# Allegro board pc065b_toplevel_06a.brd (continued)
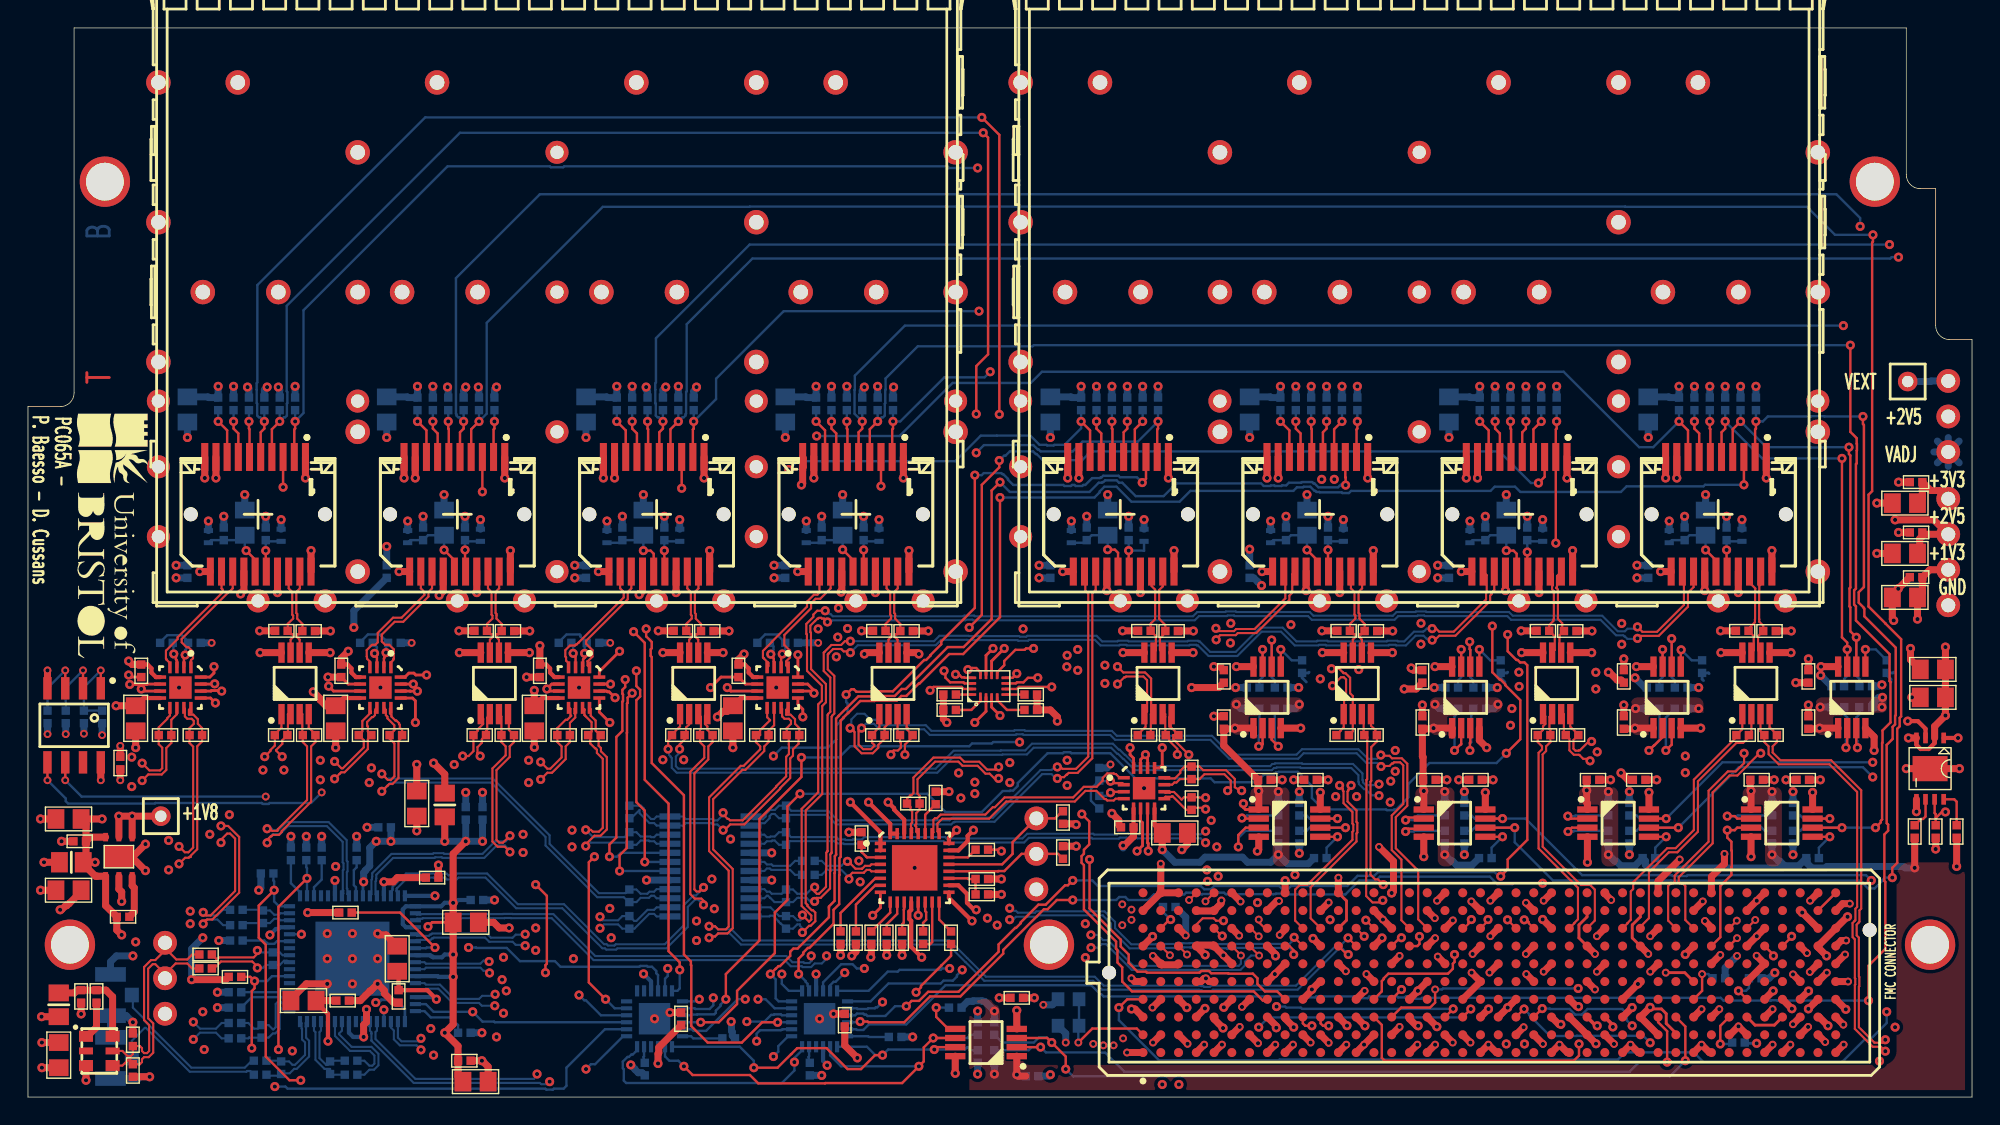
[diagram p0: board, top side]
## Routing (per net, layer and track width the routed paths; a pad name or vN(x,y) marks a point on that pad's centre or on a via; arc(x,y) is an arc through that point) (continued)
RD_MUX_P<6>: length 77.3
  TOP w0.15: J28.13 104.84,36.29 104.69,36.14 104.69,36.1 104.64,36.05 104.64,35.98 104.54,35.88 104.54,35.49 102.06,33.01 100.9,33.01 100.68,32.79 100.49,32.79 v1(100.4,32.7) ; v1(56.25,14) 56.25,14.1 56.4,14.25 56.68,14.25 57.35,14.92 57.35,16.15 57.37,16.18 57.37,17.37 57.46,17.46 57.46,17.51 57.46,27.21 57.49,27.24 57.49,27.28 57.66,27.44 57.66,30.14 57.19,30.6 57.19,31.68 57.24,31.73 57.24,31.73 57.57,32.06 58.14,32.06 58.15,32.05 58.16,32.05 58.32,31.89 58.71,31.89 v1(58.8,31.8)
  BOTTOM w0.15: v1(58.8,31.8) 59.33,32.33 64.9,32.33 65.29,32.72 67.15,32.72 67.17,32.7 70.75,32.7 70.8,32.65 71.5,32.65 71.57,32.72 76.28,32.72 76.68,32.31 78.02,32.31 78.06,32.36 78.53,32.36 78.57,32.31 83.03,32.31 83.07,32.36 83.54,32.36 83.58,32.31 83.65,32.31 84.41,31.56 86.47,31.56 88.21,33.3 89.59,33.3 90.57,32.31 92.27,32.31 92.31,32.36 92.78,32.36 92.82,32.31 97.28,32.31 97.32,32.36 97.79,32.36 97.83,32.31 98.53,32.31 99.22,33.01 99.79,33.01 100.01,32.79 100.31,32.79 v1(100.4,32.7) ; IC8.22 52.65,14.23 52.83,14.41 52.91,14.41 53.06,14.26 53.07,14.26 53.38,13.95 R80.1 54.7,13.95 55.01,14.26 55.1,14.25 55.67,14.25 55.98,13.94 56.19,13.94 v1(56.25,14)
RD_MUX_P<7>: length 96.4
  TOP w0.15: v1(57.16,34) 56.92,34.24 56.77,34.24 56.71,34.29 56.55,34.29 56.49,34.23 56.44,34.23 56.27,34.06 56.27,34.06 55.94,33.73 55.94,33.27 55.98,33.22 55.98,32.29 55.99,32.28 55.99,30.62 57.05,29.56 57.05,28.24 56.79,27.98 56.79,21.68 55.61,20.5 55.61,13.88 55.73,13.75 55.73,13.67 56.03,13.37 56.13,13.37 56.3,13.2 56.3,12.58 55.97,12.25 55.85,12.25 v1(55.37,11.78) ; J24.13 119.09,36.49 118.69,36.09 118.69,35.09 116.6,33 115.26,33 v1(115.08,32.82)
  BOTTOM w0.15: v1(55.37,11.78) 55.37,12.08 55.2,12.25 55.2,12.36 55.01,12.36 54.7,12.05 R81.1 53.84,12.42 53.8,12.42 53.66,12.55 53.66,12.59 53.27,12.98 53.06,12.98 53.01,12.93 IC8.24 ; v1(115.08,32.82) 115.04,32.78 114.36,32.78 114.18,32.96 114.15,32.96 114.07,33.04 113.55,33.04 112.44,34.15 106.04,34.15 105.78,34.41 99.88,34.41 99.83,34.46 99.37,34.46 99.32,34.41 97.97,34.41 97.71,34.15 91.79,34.15 91.53,34.41 86.28,34.41 86.23,34.46 85.77,34.46 85.72,34.41 83.72,34.41 83.42,34.12 67.58,34.12 67.53,34.16 67.07,34.16 67.02,34.12 57.52,34.12 57.41,34 v1(57.16,34)
REC_CLK_FPGA_N: length 19.1
  TOP w0.15: IC13.11 81.81,22.35 81.97,22.51 82.12,22.51 82.36,22.75 R97.1 83.76,22.75 84.11,23.1 85.54,23.1 86,22.64 86,22.15 v1(85.78,21.93) ; v1(85.39,11.52) 85.36,11.52 J3.H5
  L6_SIG w0.15: v1(85.39,11.52) 85.3,11.44 84.78,11.44 84.54,11.67 84.54,12.24 84.84,12.54 84.84,13.05 85.34,13.55 85.55,13.55 85.85,13.85 85.85,14.28 85.81,14.31 85.81,14.31 85.67,14.46 85.67,18.26 85.67,18.26 85.67,18.8 85.78,18.91 85.78,19.01 85.93,19.16 85.93,20.33 85.97,20.37 85.97,21.52 85.78,21.73 v1(85.78,21.93)
REC_CLK_FPGA_P: length 19.6
  TOP w0.15: v1(85.48,12.62) 84.95,12.62 84.78,12.79 83.99,12.79 83.53,12.34 J3.H4 ; IC13.12 81.3,22.8 82,22.8 82.39,23.19 82.39,23.34 82.7,23.65 R97.2 83.77,23.65 84.03,23.39 85.66,23.39 86.29,22.76 86.29,22.17 86.6,21.98 86.66,22 v1(86.78,21.93)
  L6_SIG w0.15: v1(86.78,21.93) 86.6,21.93 86.28,21.61 86.28,20.24 86.24,20.2 86.24,19.03 86.09,18.88 86.09,18.78 85.98,18.68 85.98,18.14 85.98,18.13 85.98,14.59 86.12,14.44 86.12,14.44 86.16,14.41 86.16,13.73 85.48,13.05 v1(85.48,12.62)
RST_I2C_B: length 54.6
  TOP w0.17: v1(67.2,30.59) 67.39,30.59 67.5,30.7 67.8,30.7 68.1,30.4 IC21.12
  L6_SIG w0.17: v1(54.8,2.5) 55.15,2.85 57.71,2.85 58.18,3.33 58.53,3.33 61.88,6.67 61.88,7.12 62.5,7.74 62.5,9 63.3,9.8 63.3,12.54 63.08,12.76 63.08,13.29 63.3,13.51 63.3,15.6 62.88,16.02 62.88,16.12 62.83,16.16 62.83,16.64 62.88,16.68 62.88,22.77 66.47,26.38 66.47,26.52 67.58,27.62 67.58,30.21 v1(67.2,30.59)
  BOTTOM w0.17: IC23.24 43.55,3.35 43.25,3.05 43.15,3.05 42.97,2.87 42.86,2.87 42.53,2.54 42.53,2.06 42.6,1.99 42.6,1.18 42.77,1.01 53.91,1.01 54.8,1.9 v1(54.8,2.5) 54.8,2.8 55.35,3.35 IC10.24
RST_I2C_B_CVCC: length 44.1
  TOP w0.17: IC21.9 69.3,30.4 69.8,30.9 69.8,31.2 70.6,32 71.26,32 71.36,32.1 v1(71.9,32.1) ; v1(75.9,17) 75.9,13.49 78.13,11.26 78.13,10.77 78.7,10.2 78.7,9.6 79.33,8.97 79.93,8.97 80,8.9 83.77,8.9 83.88,9.02 84.44,9.02 84.61,8.85 85.82,8.85 85.84,8.83 87.58,8.83 87.91,8.5 87.91,8.09 88.44,7.56 89.32,7.56 J3.D9
  L6_SIG w0.17: v1(75.9,17) 75.9,17.49 75.74,17.65 75.74,18.16 74.98,18.92 74.71,18.92 74.38,19.26 74.38,19.73 74.42,19.78 74.42,21.7 74.45,21.73 74.54,21.73 74.87,22.06 74.87,22.15 75.01,22.29 75.01,24.59 70.17,29.42 70.17,30.02 70.13,30.06 70.13,30.54 70.17,30.58 70.17,30.98 71.2,32 71.26,32 71.36,32.1 v1(71.9,32.1)
SFP_FAULT<0>: length 129.6
  TOP w0.17: v1(19.1,48.35) 19.1,47.83 19.04,47.77 J7.2
  L6_SIG w0.17: v1(59.8,9.2) 59.5,9.5 59.5,10.15 59.9,10.55 59.9,11 60,11.1 60,12.59 59.83,12.76 59.83,13.24 60,13.41 60,15.09 60.07,15.16 60.07,15.64 60,15.71 60,19.8 60.93,20.73 60.93,21.34 61.26,21.67 61.43,21.67 62.22,22.46 62.22,23.05 63.9,24.73 63.9,30 64.22,30.32 64.22,31.12 65.1,32 65.1,35 65.2,35.1 65.2,62.98 67.9,65.68 v1(67.9,66.48)
  BOTTOM w0.17: v1(59.8,9.2) 59.26,9.2 58.96,9.5 58.14,9.5 56.85,8.21 IC10.10 ; v1(67.9,66.48) 65.86,66.48 65.74,66.6 38.34,66.6 38.27,66.53 37.38,66.53 37.31,66.6 30,66.6 19.7,56.3 19.7,48.95 v1(19.1,48.35) R24.2
SFP_FAULT<1>: length 65.8
  TOP w0.17: J12.2 33.29,47.77 33.35,47.83 v1(33.35,48.35)
  L3_SIG w0.17: v1(58.4,8.9) 57.86,8.9 57.36,9.4 55.5,9.4 55,9.9 v1(39,9.9)
  L6_SIG w0.17: v1(39,9.9) 39,10.39 38.9,10.49 38.9,11.6 33.5,17 33.5,22.07 33.35,22.22 v1(33.35,48.35)
  BOTTOM w0.17: v1(58.4,8.9) 57.74,8.25 57.6,8.25 57.35,8 IC10.11 ; R36.2 v1(33.35,48.35)
SFP_FAULT<2>: length 86.7
  TOP w0.17: J16.2 47.54,47.77 47.6,47.83 v1(47.6,48.35)
  L6_SIG w0.17: v1(68,56.23) 68,55.74 68.1,55.64 68.1,50.5 68.4,50.2 68.4,49.14 68.42,49.12 68.42,48.68 68.4,48.66 68.4,32.77 68.1,32.47 68.1,31.73 68.4,31.43 68.4,26.26 67.17,25.03 66.86,25.03 64.99,23.16 64.99,22.27 64.96,22.23 64.96,21.49 65,21.45 65,18.64 66.64,16.99 66.64,13.02 66.6,12.97 66.6,12.23 66.64,12.18 66.64,9.94 v1(65.9,9.2)
  BOTTOM w0.17: v1(65.9,9.2) 65.36,9.2 65.26,9.1 62.32,9.1 62.19,8.97 61.48,8.97 60.1,7.6 IC10.12 ; R44.2 v1(47.6,48.35) 49.2,49.95 49.2,51.4 54.03,56.23 v1(68,56.23)
SFP_FAULT<3>: length 66.7
  TOP w0.17: v1(61.85,48.35) 61.85,47.83 61.79,47.77 J20.2
  L6_SIG w0.17: v1(66.8,9.1) 67.18,9.48 67.18,12.11 66.93,12.36 66.93,12.84 66.97,12.88 66.97,17.13 65.33,18.77 65.33,21.58 65.29,21.62 65.29,22.1 65.33,22.14 65.33,23.02 67,24.7 67.31,24.7 68.73,26.12 68.73,31.56 68.43,31.86 68.43,32.34 68.73,32.64 68.73,34.07 68.88,34.22 68.88,51.29 68.8,51.36 v1(68.8,51.9)
  BOTTOM w0.17: v1(68.8,51.9) 68.4,51.5 65.52,51.5 62.37,48.35 v1(61.85,48.35) R52.2 ; IC10.13 60.25,6.85 61.52,8.12 65.26,8.12 65.46,8.33 66.13,8.33 66.42,8.62 66.42,8.72 v1(66.8,9.1)
SFP_FAULT<4>: length 63.4
  TOP w0.17: v1(80.8,48.35) 80.8,47.83 80.74,47.77 J36.2
  L6_SIG w0.17: v1(67.8,46.1) 67.1,45.4 67.1,42.5 67.5,42.1 67.5,35.6 65.43,33.53 65.43,31.86 65.23,31.66 65.23,31.07 64.78,30.62 64.78,30.18 64.97,29.99 64.97,29.44 65.07,29.34 65.07,28.86 64.97,28.76 64.97,25.34 62.55,22.91 62.55,22.05 62.07,21.57 62.07,20.86 62.02,20.82 62.02,14.82 60.88,13.68 60.88,13.33 60.97,13.24 60.97,12.76 60.88,12.67 60.88,10.43 60.83,10.38 60.83,9.07 61,8.9 61,7.44 61.1,7.34 v1(61.1,6.8)
  BOTTOM w0.17: v1(67.8,46.1) 68.35,46.65 71.88,46.65 72.19,46.34 72.26,46.34 72.4,46.2 74.7,46.2 75.4,46.9 79.35,46.9 v1(80.8,48.35) R125.2 ; v1(61.1,6.8) 60.72,6.42 60.62,6.42 60.55,6.35 60.08,6.35 60.03,6.3 59.32,6.3 59.27,6.35 IC10.14
SFP_FAULT<5>: length 97.1
  TOP w0.17: v1(105.8,33.1) 105.8,31.9 106.42,31.27 106.51,31.27 106.69,31.1 107,31.1 107.2,30.9 107.2,18.4 105.8,17 105.8,16.3 v1(105.3,15.8) ; v1(95.05,48.35) 95.05,47.83 94.99,47.77 J32.2 ; v1(74.7,15.5) 74.35,15.15 74.15,15.15 72.76,13.77 72.25,13.77 70.98,12.5 70.98,12.44 70.65,12.1 70.58,12.1 69.4,10.92 69.4,10.4 66.53,7.53 64.36,7.53 63.71,6.88 63.18,6.88 v1(62.8,6.5)
  L6_SIG w0.17: v1(95.05,48.35) 96.15,48.35 98.7,45.8 98.7,38.34 98.41,38.04 98.41,37.16 99.03,36.53 99.98,36.53 103.51,33 105.21,33 105.31,33.1 v1(105.8,33.1)
  BOTTOM w0.17: v1(62.8,6.5) 62,6.5 61.3,5.8 60.02,5.8 59.92,5.9 59.81,5.9 59.74,5.97 59.26,5.97 59.14,5.85 IC10.15 ; v1(74.7,15.5) 76.1,15.5 76.5,15.1 83.87,15.1 84.1,14.87 84.57,14.87 84.81,15.1 89.46,15.1 89.65,14.91 90.12,14.91 90.31,15.1 94.33,15.1 95.06,15.83 96.26,15.83 96.53,16.1 104.87,16.1 105.17,15.8 v1(105.3,15.8) ; R117.2 v1(95.05,48.35)
SFP_FAULT<6>: length 89.2
  TOP w0.17: v1(109.24,39.64) J28.2 109.24,47.77 109.3,47.83 v1(109.3,48.35) ; v1(59.5,5.4) 60.04,5.4 60.09,5.35 62.65,5.35 64.5,7.2 66.67,7.2 69.73,10.26 69.73,10.53 72.64,13.44 72.9,13.44 73.57,14.1 v1(74.7,14.1)
  L6_SIG w0.17: v1(109.24,39.64) 109.24,23.94 108.2,22.9 108.2,15.94 108.3,15.84 v1(108.3,15.3)
  BOTTOM w0.17: v1(59.5,5.4) 59.45,5.35 IC10.16 ; v1(108.3,15.3) 106.2,15.3 106.13,15.23 105.06,15.23 104.52,15.77 96.66,15.77 96.39,15.5 95.2,15.5 94.2,14.5 89.72,14.5 89.67,14.56 89.23,14.56 89.2,14.53 89.05,14.53 89.04,14.52 85.69,14.52 85.68,14.53 85.62,14.53 85.52,14.62 85.08,14.62 84.99,14.53 83.98,14.53 83.95,14.5 83.36,14.5 83.24,14.62 82.8,14.62 82.68,14.5 80.5,14.5 80.1,14.1 78.67,14.1 78.46,14.32 78.02,14.32 77.81,14.1 v1(74.7,14.1) ; R109.2 v1(109.3,48.35)
SFP_FAULT<7>: length 130.3
  TOP w0.17: J24.2 123.49,47.77 123.55,47.83 v1(123.55,48.35) ; v1(131.6,6.9) 131.6,9.4 132.8,10.6 132.8,15.39 132.73,15.46 132.73,18.79 133,19.06 133,19.49 132.9,19.59 132.9,25.2 133.32,25.62 133.32,26.49 133.5,26.67 133.5,27.27 133.54,27.32 133.54,32.16 131.3,34.4 131.3,34.93 131.27,34.96 131.27,35.01 130.9,35.38 130.9,36.12 131.27,36.49 131.27,48.09 131.2,48.16 v1(131.2,48.7)
  BOTTOM w0.17: IC10.17 59.22,4.85 59.27,4.8 59.73,4.8 60.13,5.2 62.8,5.2 65.6,8 76.02,8 76.66,7.36 76.74,7.36 76.9,7.2 91.49,7.2 91.56,7.13 92.04,7.13 92.11,7.2 95.23,7.2 95.35,7.08 95.79,7.08 95.91,7.2 97.89,7.2 97.97,7.12 98.44,7.12 98.52,7.2 98.97,7.2 99.14,7.03 99.62,7.03 99.69,7.1 121.03,7.1 121.23,6.9 124.61,6.9 124.63,6.93 125.07,6.93 125.09,6.9 v1(131.6,6.9) ; R101.2 v1(123.55,48.35) 124.04,48.35 124.4,48.7 127.49,48.7 127.51,48.72 128.44,48.72 128.46,48.7 v1(131.2,48.7)
SFP_I2C_SCL<0>: length 149.5
  TOP w0.17: v1(16.9,48.35) 16.9,47.83 16.64,47.57 J7.5 ; IC12.7 v1(93.63,19.93) ; v1(68.2,70.1) 69.45,68.85 v1(69.45,48.85)
  L3_SIG w0.17: v1(69.45,48.85) 70.6,47.7 72.8,47.7 72.86,47.77 73.34,47.77 73.4,47.7 83.74,47.7 84.76,48.72 88.12,48.72 92.12,44.72 92.12,44.58 v1(92.5,44.2)
  L6_SIG w0.17: v1(92.5,44.2) 92.5,43.66 92.3,43.46 92.3,40.61 94.61,38.3 95.2,38.3 95.6,37.9 95.6,33.2 95.72,33.08 95.72,28.42 95.6,28.3 95.6,21.1 94.42,19.93 v1(93.63,19.93)
  BOTTOM w0.17: R140.1 91.41,20.15 91.64,19.93 v1(93.63,19.93) ; R27.1 v1(16.9,48.35) 16.61,48.64 16.51,48.64 16.39,48.76 16.39,49.62 16.36,49.65 16.36,50.62 16.35,50.63 16.35,51.08 16.4,51.13 16.4,58.1 28.4,70.1 v1(68.2,70.1)
SFP_I2C_SCL<1>: length 198.7
  TOP w0.17: J12.5 30.89,47.57 31.15,47.83 v1(31.15,48.35) ; IC14.7 v1(105.43,19.93)
  L6_SIG w0.17: v1(131,62.3) 131,53.94 131.03,53.92 131.03,53.48 131,53.46 131,51.8 130.5,51.3 130.5,48.1 131.2,47.4 131.2,33.3 132,32.5 132,30.57 131.47,30.04 131.47,29.47 131.3,29.3 131.3,25.31 131.4,25.21 131.4,24.3 131.28,24.18 131.28,17.22 131.8,16.69 v1(131.8,15.5)
  BOTTOM w0.17: v1(131,62.3) 131,62.9 129.3,64.6 36.6,64.6 30.6,58.6 30.6,48.9 30.64,48.86 30.64,48.76 30.76,48.64 30.86,48.64 v1(31.15,48.35) R39.1 ; R145.1 103.21,20.15 103.44,19.93 v1(105.43,19.93) 107.08,19.93 111.12,15.88 117.54,15.88 117.61,15.82 118.59,15.82 118.66,15.88 131.42,15.88 v1(131.8,15.5)
SFP_I2C_SCL<2>: length 161
  TOP w0.17: J16.5 45.14,47.57 45.4,47.83 v1(45.4,48.35) ; IC15.7 v1(117.13,19.93)
  L6_SIG w0.17: v1(133.1,61) 133.1,55.2 131.67,53.77 131.67,49.07 131.82,48.92 131.82,48.48 131.6,48.26 131.6,36.76 132.37,35.99 132.37,35.51 131.6,34.74 131.6,33.57 132.4,32.77 132.4,30.5 131.8,29.9 131.8,27.4 132.6,26.6 132.6,24.16 132.39,23.95 v1(131.9,23.95)
  BOTTOM w0.17: v1(131.9,23.95) 121.16,23.95 v1(117.13,19.93) 115.24,19.93 115.01,20.15 R150.1 ; R47.1 v1(45.4,48.35) 45.11,48.64 45.01,48.64 44.89,48.76 44.89,49.62 44.85,49.65 44.85,50.62 44.85,50.63 44.85,51.08 44.9,51.13 44.9,54.3 51.6,61 v1(133.1,61)
SFP_I2C_SCL<3>: length 119
  TOP w0.17: J20.5 59.39,47.57 59.65,47.83 v1(59.65,48.35) ; IC16.7 v1(128.83,19.93)
  L6_SIG w0.17: v1(128.83,19.93) 129.4,20.5 129.4,41.8 129.1,42.1 129.1,54.5 v1(129.8,55.2)
  BOTTOM w0.17: R55.1 v1(59.65,48.35) 59.1,48.9 59.1,50.6 59.12,50.62 59.12,51.62 62.7,55.2 v1(129.8,55.2) ; R155.1 126.71,20.15 126.94,19.93 v1(128.83,19.93)
SFP_I2C_SCL<4>: length 28.1
  TOP w0.17: J36.5 78.34,47.57 78.6,47.83 v1(78.6,48.35) ; 88.28,30.8 v1(88.28,32.03)
  L6_SIG w0.17: v1(88.28,32.03) 86.57,33.73 86.57,34.14 86.24,34.47 85.83,34.47 82.47,37.84 82.47,38.82 82.51,38.87 82.51,39.34 82.47,39.39 82.47,39.84 80.5,41.8 80.5,46.45 v1(78.6,48.35)
  BOTTOM w0.17: v1(88.28,32.03) 88.28,30.04 88.05,29.81 R160.1 ; R128.1 v1(78.6,48.35)
SFP_I2C_SCL<5>: length 28.1
  TOP w0.17: J32.5 92.59,47.57 92.85,47.83 v1(92.85,48.35) ; IC18.7 v1(102.47,32.03)
  L6_SIG w0.17: v1(92.85,48.35) 94.8,46.4 94.8,41.84 94.95,41.69 94.95,41.65 97.07,39.53 97.07,37.56 99.43,35.2 99.89,35.2 102.47,32.62 v1(102.47,32.03)
  BOTTOM w0.17: R120.1 v1(92.85,48.35) ; R165.1 102.25,29.81 102.47,30.04 v1(102.47,32.03)
SFP_I2C_SCL<6>: length 27.9
  TOP w0.17: IC19.7 v1(116.88,32.03) ; J28.5 106.84,47.57 107.1,47.83 v1(107.1,48.35)
  L6_SIG w0.17: v1(107.1,48.35) 108.7,46.75 108.7,44.6 109,44.3 109,41.53 116.88,33.66 v1(116.88,32.03)
  BOTTOM w0.17: R170.1 116.65,29.81 116.88,30.04 v1(116.88,32.03) ; R112.1 v1(107.1,48.35)
SFP_I2C_SCL<7>: length 30.7
  TOP w0.17: IC20.7 v1(130.07,32.03) 130.07,32.52 129.7,32.9 v1(129.7,45.7) ; J24.5 121.09,47.57 121.35,47.83 v1(121.35,48.35)
  BOTTOM w0.17: v1(130.07,32.03) 130.07,30.14 129.85,29.91 R175.1 ; v1(129.7,45.7) 124,45.7 v1(121.35,48.35) R104.1
SFP_I2C_SDA<0>: length 148.2
  TOP w0.17: J7.4 17.44,47.79 v1(18,48.35) ; v1(67.8,48.88) 67.8,52.3 68.65,53.15 68.65,68.65 v1(68.3,69) ; IC12.6 v1(94.2,19.27)
  L3_SIG w0.17: v1(67.8,48.88) 68.18,48.5 68.3,48.5 69.6,47.2 72,47.2 72.72,46.48 85.69,46.48 85.71,46.5 88.4,46.5 91.11,43.79 92.1,43.79 92.26,43.63 92.74,43.63 92.93,43.82 93.02,43.82 v1(93.4,44.2)
  L6_SIG w0.17: v1(93.4,44.2) 93.4,43.5 94.44,42.46 94.44,41.79 94.47,41.76 94.47,41.7 94.62,41.55 94.62,40.88 95.62,39.88 95.62,38.87 96.08,38.41 96.08,35.06 96.1,35.04 96.1,25.5 95.97,25.38 95.97,21.37 96.1,21.25 96.1,20.5 94.88,19.27 v1(94.2,19.27)
  BOTTOM w0.17: R28.1 v1(18,48.35) 18.29,48.64 18.39,48.64 18.51,48.76 18.51,49.62 18.55,49.65 18.55,50.45 18.5,50.5 18.5,56.62 30.88,69 v1(68.3,69) ; v1(94.2,19.27) 91.64,19.27 91.41,19.05 R139.1
SFP_I2C_SDA<1>: length 197.2
  TOP w0.17: v1(131.92,61.7) 131.92,61.2 131.86,61.14 131.86,43.36 131.6,43.1 131.6,35.1 132.83,33.87 132.83,33.86 133.93,32.76 133.93,27.24 133.83,27.14 133.83,26.53 133.65,26.35 133.65,16.76 133.3,16.41 v1(133.3,15.7) ; J12.4 31.69,47.79 v1(32.25,48.35) ; IC14.6 v1(106.3,19.27)
  BOTTOM w0.17: R40.1 v1(32.25,48.35) 32.8,48.89 32.8,55.4 41.1,63.7 51.59,63.7 51.61,63.72 114.19,63.72 114.21,63.7 127.2,63.7 129.2,61.7 131.91,61.7 v1(131.92,61.7) ; v1(133.3,15.7) 132.76,15.7 132.61,15.54 132.61,15.5 132.04,14.93 131.56,14.93 131.01,15.48 117.47,15.48 117.46,15.5 109.03,15.5 106.3,18.23 v1(106.3,19.27) 103.44,19.27 103.21,19.05 R144.1
SFP_I2C_SDA<2>: length 160
  TOP w0.17: IC15.6 v1(118,19.27) ; v1(46.5,48.35) 45.94,47.79 J16.4
  L6_SIG w0.17: v1(133.74,60.1) 133.74,54.74 132.9,53.9 132.9,34.41 132.83,34.34 132.83,33.86 132.9,33.79 132.9,30 133.4,29.5 133.4,27.2 132.93,26.73 132.93,24.03 132.9,24 132.9,23.27 132.53,22.9 v1(131.9,22.9)
  BOTTOM w0.17: v1(131.9,22.9) 131.2,23.6 122.33,23.6 v1(118,19.27) 115.24,19.27 115.01,19.05 R149.1 ; R48.1 v1(46.5,48.35) 46.79,48.64 46.89,48.64 47.01,48.76 47.01,48.86 47.05,48.9 47.05,50.45 47.1,50.5 47.1,55.3 51.8,60 133.15,60 133.25,60.1 v1(133.74,60.1)
SFP_I2C_SDA<3>: length 121.3
  TOP w0.17: v1(60.75,48.35) 60.19,47.79 J20.4 ; IC16.6 v1(129.7,19.27) ; v1(130.3,53.8) 130.3,47.6 130.75,47.14 130.75,46.75 130.77,46.74 130.77,46.26 130.75,46.25 130.75,45.35 130.7,45.29 130.7,36.39 130.57,36.26 130.57,35.24 130.7,35.11 130.7,34.1 133.1,31.7 133.1,29.76 133.17,29.69 133.17,26.8 132.6,26.23 132.6,25.37 132.57,25.34 132.57,19.86 132.48,19.77 132.48,19.65 v1(132.1,19.27)
  BOTTOM w0.17: v1(130.3,53.8) 71.91,53.8 71.83,53.72 63.62,53.72 61.32,51.42 61.32,50.62 61.3,50.59 61.3,49.65 61.26,49.62 61.26,48.76 61.14,48.64 61.04,48.64 v1(60.75,48.35) R56.1 ; v1(132.1,19.27) v1(129.7,19.27) 126.94,19.27 126.71,19.05 R154.1
SFP_I2C_SDA<4>: length 29.2
  TOP w0.17: J36.4 79.14,47.79 v1(79.7,48.35) ; IC17.6 v1(88.92,32.7)
  L6_SIG w0.17: v1(88.92,32.7) 88.1,32.7 86.9,33.9 86.9,34.27 86.37,34.8 86,34.8 82.8,38 82.8,38.69 82.84,38.73 82.84,39.48 82.8,39.52 82.8,39.97 80.9,41.87 80.9,47.15 v1(79.7,48.35)
  BOTTOM w0.17: v1(88.92,32.7) 88.92,30.04 89.15,29.81 R159.1 ; R129.1 v1(79.7,48.35)
SFP_I2C_SDA<5>: length 28.7
  TOP w0.17: v1(93.95,48.35) 93.39,47.79 J32.4 ; IC18.6 103.12,32 103.08,32.04 v1(103.08,32.58)
  L6_SIG w0.17: v1(93.95,48.35) 93.95,47.71 95.13,46.53 95.13,42.04 97.4,39.77 97.4,37.7 98.89,36.2 99.36,36.2 102.6,32.96 102.7,32.96 v1(103.08,32.58)
  BOTTOM w0.17: R121.1 v1(93.95,48.35) ; v1(103.08,32.58) 103.08,32.04 103.12,32 103.12,30.04 103.35,29.81 R164.1
SFP_I2C_SDA<6>: length 28.6
  TOP w0.17: J28.4 107.64,47.79 v1(108.2,48.35) ; IC19.6 v1(117.53,32.8)
  L6_SIG w0.17: v1(108.2,48.35) 109.33,47.22 109.33,41.67 117.53,33.48 v1(117.53,32.8)
  BOTTOM w0.17: v1(117.53,32.8) 117.53,30.04 117.75,29.81 R169.1 ; R113.1 v1(108.2,48.35)
SFP_I2C_SDA<7>: length 31.7
  TOP w0.17: v1(122.45,48.35) 121.89,47.79 J24.4 ; v1(130.2,46.5) 130.2,46.01 130.3,45.91 130.3,36.46 130.24,36.4 130.24,35.1 130.3,35.04 130.3,33.33 v1(130.72,32.9) 130.72,30.8
  BOTTOM w0.17: R174.1 130.95,29.91 130.72,30.14 v1(130.72,32.9) ; v1(130.2,46.5) 128.46,46.5 128.44,46.48 127.51,46.48 127.49,46.5 124.3,46.5 v1(122.45,48.35) R105.1
SFP_LOS<0>: length 88.4
  TOP w0.17: v1(13.6,48.35) 14.24,47.71 J7.8
  L3_SIG w0.17: v1(7.7,11.1) 8.9,9.9 17.3,9.9 18.2,9 25.6,9 26.5,9.9 29.2,9.9 30.15,10.85 30.75,10.85 30.9,10.7 v1(31.5,10.7)
  L6_SIG w0.17: v1(7.7,11.1) 7.7,11.8 5.9,13.6 5.9,27.59 5.73,27.76 5.73,28.24 6.06,28.57 6.13,28.57 6.25,28.69 6.25,44.95 9.65,48.35 v1(13.6,48.35)
  BOTTOM w0.17: R25.2 v1(13.6,48.35) ; v1(31.5,10.7) 32.04,10.7 32.07,10.67 34.23,10.67 35.17,9.72 37.68,9.72 38.08,9.33 43.72,9.33 43.78,9.38 44.25,9.38 44.31,9.33 44.62,9.33 44.92,9.02 44.92,8.86 45.05,8.73 IC23.10
SFP_LOS<1>: length 71.4
  TOP w0.17: v1(36.3,15.2) 37.1,14.4 37.1,9.54 37,9.44 v1(37,8.9) ; J12.8 28.49,47.71 v1(27.85,48.35)
  L3_SIG w0.17: v1(37,8.9) 37.38,9.28 43.67,9.28 43.78,9.38 44.25,9.38 44.31,9.33 44.62,9.33 44.74,9.2 v1(45.74,9.2) ; v1(22,16.5) 22.35,16.15 26.25,16.15 26.6,15.8 29.1,15.8 29.4,15.5 34.4,15.5 34.7,15.2 v1(36.3,15.2)
  L6_SIG w0.17: v1(27.85,48.35) 25.95,48.35 22.4,44.8 22.4,32.21 22.33,32.14 22.33,31.66 22.4,31.59 22.4,25.6 22.52,25.48 22.52,25.28 22.57,25.24 22.57,24.76 22.52,24.72 22.52,17.02 v1(22,16.5)
  BOTTOM w0.17: R37.2 v1(27.85,48.35) ; IC23.11 45.55,8.47 45.74,8.66 v1(45.74,9.2)
SFP_LOS<2>: length 47
  TOP w0.17: J16.8 42.74,47.71 v1(42.1,48.35) ; v1(46.6,9.1) 46.6,9.64 45.8,10.44 45.8,21 44.1,22.7 44.1,32.5 v1(43.3,33.3)
  L6_SIG w0.17: v1(43.3,33.3) 42.9,33.7 42.9,38.8 43.3,39.2 43.3,47.15 v1(42.1,48.35)
  BOTTOM w0.17: v1(46.6,9.1) 46.6,7.77 46.43,7.6 IC23.12 ; R45.2 v1(42.1,48.35)
SFP_LOS<3>: length 50
  TOP w0.17: v1(56.35,48.35) 56.99,47.71 J20.8
  L6_SIG w0.17: v1(56.35,48.35) 53.8,45.8 53.8,45.3 50.82,42.32 50.82,35.06 50.8,35.04 50.8,32.81 50.73,32.74 50.73,32.67 50.68,32.62 50.68,32.38 50.73,32.33 50.73,32.04 50.63,31.94 50.63,31.46 50.8,31.29 50.8,26.1 50.97,25.93 50.97,25.17 51.02,25.12 51.02,24.88 50.97,24.83 50.97,24.07 50.8,23.9 50.8,17.4 49.9,16.5 49.9,11.4 48,9.5 v1(48,7)
  BOTTOM w0.17: R53.2 v1(56.35,48.35) ; v1(48,7) 47.85,6.85 IC23.13
SFP_LOS<4>: length 70.2
  TOP w0.17: v1(75.3,48.35) 75.94,47.71 J36.8
  L6_SIG w0.17: v1(54.4,44.9) 54.02,44.52 53.82,44.52 53,43.7 53,41.12 53.27,40.85 53.27,39.78 51.87,38.38 51.87,32.67 52,32.54 52,31.76 51.77,31.53 51.77,31.46 51.67,31.36 51.67,11.14 49.1,8.57 49.1,7.74 49,7.64 v1(49,7.1)
  BOTTOM w0.17: IC23.14 47.67,6.35 47.72,6.3 48.74,6.3 49,6.56 v1(49,7.1) ; v1(54.4,44.9) 54.9,45.4 55.24,45.4 55.34,45.5 66.3,45.5 68.13,47.32 69.26,47.32 69.26,47.33 71.67,47.33 72.33,46.67 72.82,46.67 72.86,46.63 73.34,46.63 73.38,46.67 74.12,46.67 75.3,47.85 v1(75.3,48.35) R126.2
SFP_LOS<5>: length 88
  TOP w0.17: v1(55.3,24.3) 55.3,22.9 52.3,19.9 52.3,11.2 49.9,8.8 v1(49.9,7) ; v1(89.55,48.35) 90.19,47.71 J32.8
  L3_SIG w0.17: v1(71.15,33.5) 71.53,33.88 71.53,33.93 72.03,34.42 85.72,34.42 85.76,34.47 86.24,34.47 86.28,34.42 89.17,34.42 89.8,33.8 v1(90.3,33.8)
  L6_SIG w0.17: v1(89.55,48.35) 89.92,47.98 89.92,44.58 89.96,44.53 89.96,44.06 90.52,43.5 90.52,41.32 89.92,40.71 89.92,38.32 89.42,37.83 89.42,34.67 v1(90.3,33.8) ; v1(70.9,25.4) 70.9,27.8 69.5,29.2 69.5,31.06 69.97,31.53 70.04,31.53 70.37,31.86 70.37,31.93 71.15,32.71 v1(71.15,33.5)
  BOTTOM w0.17: IC23.15 47.47,5.85 47.52,5.9 47.84,5.9 47.86,5.92 49.08,5.92 49.18,6.03 49.18,6.18 49.52,6.52 49.52,6.62 v1(49.9,7) ; R118.2 v1(89.55,48.35) ; v1(70.9,25.4) 69.01,25.4 68.91,25.3 67.5,25.3 67.3,25.1 58.8,25.1 58,24.3 v1(55.3,24.3)
SFP_LOS<6>: length 108.4
  TOP w0.17: v1(104.7,33.7) 104.7,30.4 105.23,29.87 105.29,29.87 105.62,29.54 105.62,29.48 106.7,28.4 106.7,25.6 v1(105.7,24.6) ; J28.8 104.44,47.71 v1(103.8,48.35) ; v1(48.1,5.35) 49.39,5.35 50.7,6.66 50.7,7.6 53.4,10.3 53.4,13.2 54.3,14.1 54.3,20.8 v1(55.2,21.7)
  L6_SIG w0.17: v1(104.7,33.7) 104.7,34.6 104.8,34.7 104.8,47.35 v1(103.8,48.35)
  BOTTOM w0.17: IC23.16 v1(48.1,5.35) ; R110.2 v1(103.8,48.35) ; v1(105.7,24.6) 105,23.9 100.2,23.9 98.7,22.4 98.7,21.45 97.83,20.58 97.69,20.58 97.64,20.53 97.16,20.53 97.11,20.58 92.62,20.58 91.8,21.4 91.8,22.26 90.79,23.27 89.42,23.27 89.37,23.23 89.22,23.23 89.07,23.07 88.37,23.07 87.83,22.53 84.84,22.53 84.57,22.8 79.19,22.8 77.39,24.6 74.61,24.6 74.54,24.67 74.06,24.67 73.99,24.6 72.9,24.6 70.77,22.47 70.77,22.26 70.44,21.93 70.23,21.93 70.2,21.9 69.7,21.9 68.2,20.4 65.6,20.4 64.3,21.7 v1(55.2,21.7)
SFP_LOS<7>: length 118.5
  TOP w0.17: J24.8 118.69,47.71 v1(118.05,48.35)
  L6_SIG w0.17: v1(51.29,7) 51.29,7.54 51.37,7.62 51.37,10.37 52,11 52,31.23 52.1,31.33 52.1,31.39 52.33,31.62 52.33,32.68 52.2,32.81 52.2,37.8 53.6,39.2 53.6,40.99 53.33,41.26 53.33,42.73 54.82,44.22 54.82,44.32 55.37,44.87 55.47,44.87 56.39,45.79 v1(56.39,47.3)
  BOTTOM w0.17: R102.2 v1(118.05,48.35) 116.2,46.5 115.2,46.5 109.8,51.9 72.5,51.9 71.7,51.1 66.11,51.1 62.31,47.3 v1(56.39,47.3) ; v1(51.29,7) 50.75,7 48.48,4.73 47.59,4.73 47.47,4.85 IC23.17
SFP_TD_N: length 6.4
  TOP w0.15: U3.6 19.43,32.73 19.25,32.91 19.25,33.12 19.39,33.12 R23.1 19.62,33.85 19.25,34.24 19.25,34.45 19.25,34.57 19.18,34.64 19.18,36.14 19.44,36.4 J7.19
SFP_TD_N_1: length 6.4
  TOP w0.15: J12.19 33.69,36.4 33.44,36.14 33.44,34.64 33.5,34.57 33.5,34.45 33.5,34.24 33.87,33.85 R35.1 33.64,33.12 33.5,33.12 33.5,32.91 33.67,32.73 U4.6
SFP_TD_N_2: length 6.4
  TOP w0.15: J16.19 47.94,36.4 47.69,36.14 47.69,34.64 47.75,34.57 47.75,34.45 47.75,34.24 48.12,33.85 R43.1 47.89,33.12 47.74,33.12 47.74,32.91 47.92,32.73 47.92,31.8
SFP_TD_N_3: length 6.4
  TOP w0.15: U6.6 62.17,32.73 61.99,32.91 61.99,33.12 62.14,33.12 R51.1 62.37,33.85 62,34.24 62,34.45 62,34.57 61.94,34.64 61.94,36.14 62.19,36.4 J20.19
SFP_TD_N_4: length 6.2
  TOP w0.15: J24.19 123.89,36.69 123.79,36.59 123.79,36.1 123.78,36.08 123.78,34.2 123.79,34.19 123.79,34.01 124.07,33.73 R100.1 123.7,32.98 123.7,31.98 U7.6
SFP_TD_N_5: length 6.4
  TOP w0.15: J28.19 109.33,37.29 109.33,36.5 109.26,36.44 109.39,36.31 109.39,34.22 109.54,34.07 109.54,34.06 109.7,33.9 109.7,33.48 R108.1 109.5,33.03 109.5,31.92 U8.6
SFP_TD_N_6: length 6.4
  TOP w0.15: U9.6 95.38,32.73 95.19,32.91 95.19,33.12 95.34,33.12 R116.1 95.57,33.85 95.2,34.24 95.2,34.45 95.2,34.57 95.14,34.64 95.14,36.14 95.39,36.4 J32.19
SFP_TD_N_7: length 6.3
  TOP w0.15: U10.6 80.94,31.99 80.94,32.84 81.32,33.22 R124.1 81.32,33.77 80.88,34.23 80.88,34.4 80.88,36.28 81.14,36.54 J36.19
SFP_TD_P: length 6.4
  TOP w0.15: U3.7 18.77,32.73 18.95,32.91 18.95,33.12 18.81,33.12 R22.1 18.57,33.86 18.96,34.24 18.96,34.45 18.89,34.52 18.89,36.14 18.64,36.4 J7.18
SFP_TD_P_1: length 6.4
  TOP w0.15: 33.02,31.8 33.02,32.73 33.2,32.91 33.2,33.12 33.06,33.12 R34.1 32.82,33.86 33.21,34.24 33.21,34.45 33.14,34.52 33.14,36.14 32.89,36.4 J12.18
SFP_TD_P_2: length 6.4
  TOP w0.15: J16.18 47.14,36.4 47.4,36.14 47.4,34.52 47.46,34.45 47.46,34.24 47.07,33.86 R42.1 47.31,33.12 47.45,33.12 47.45,32.91 47.27,32.73 U5.7
